# KiCad board data-center-rdimm-ddr4-tester.kicad_pcb (continued)
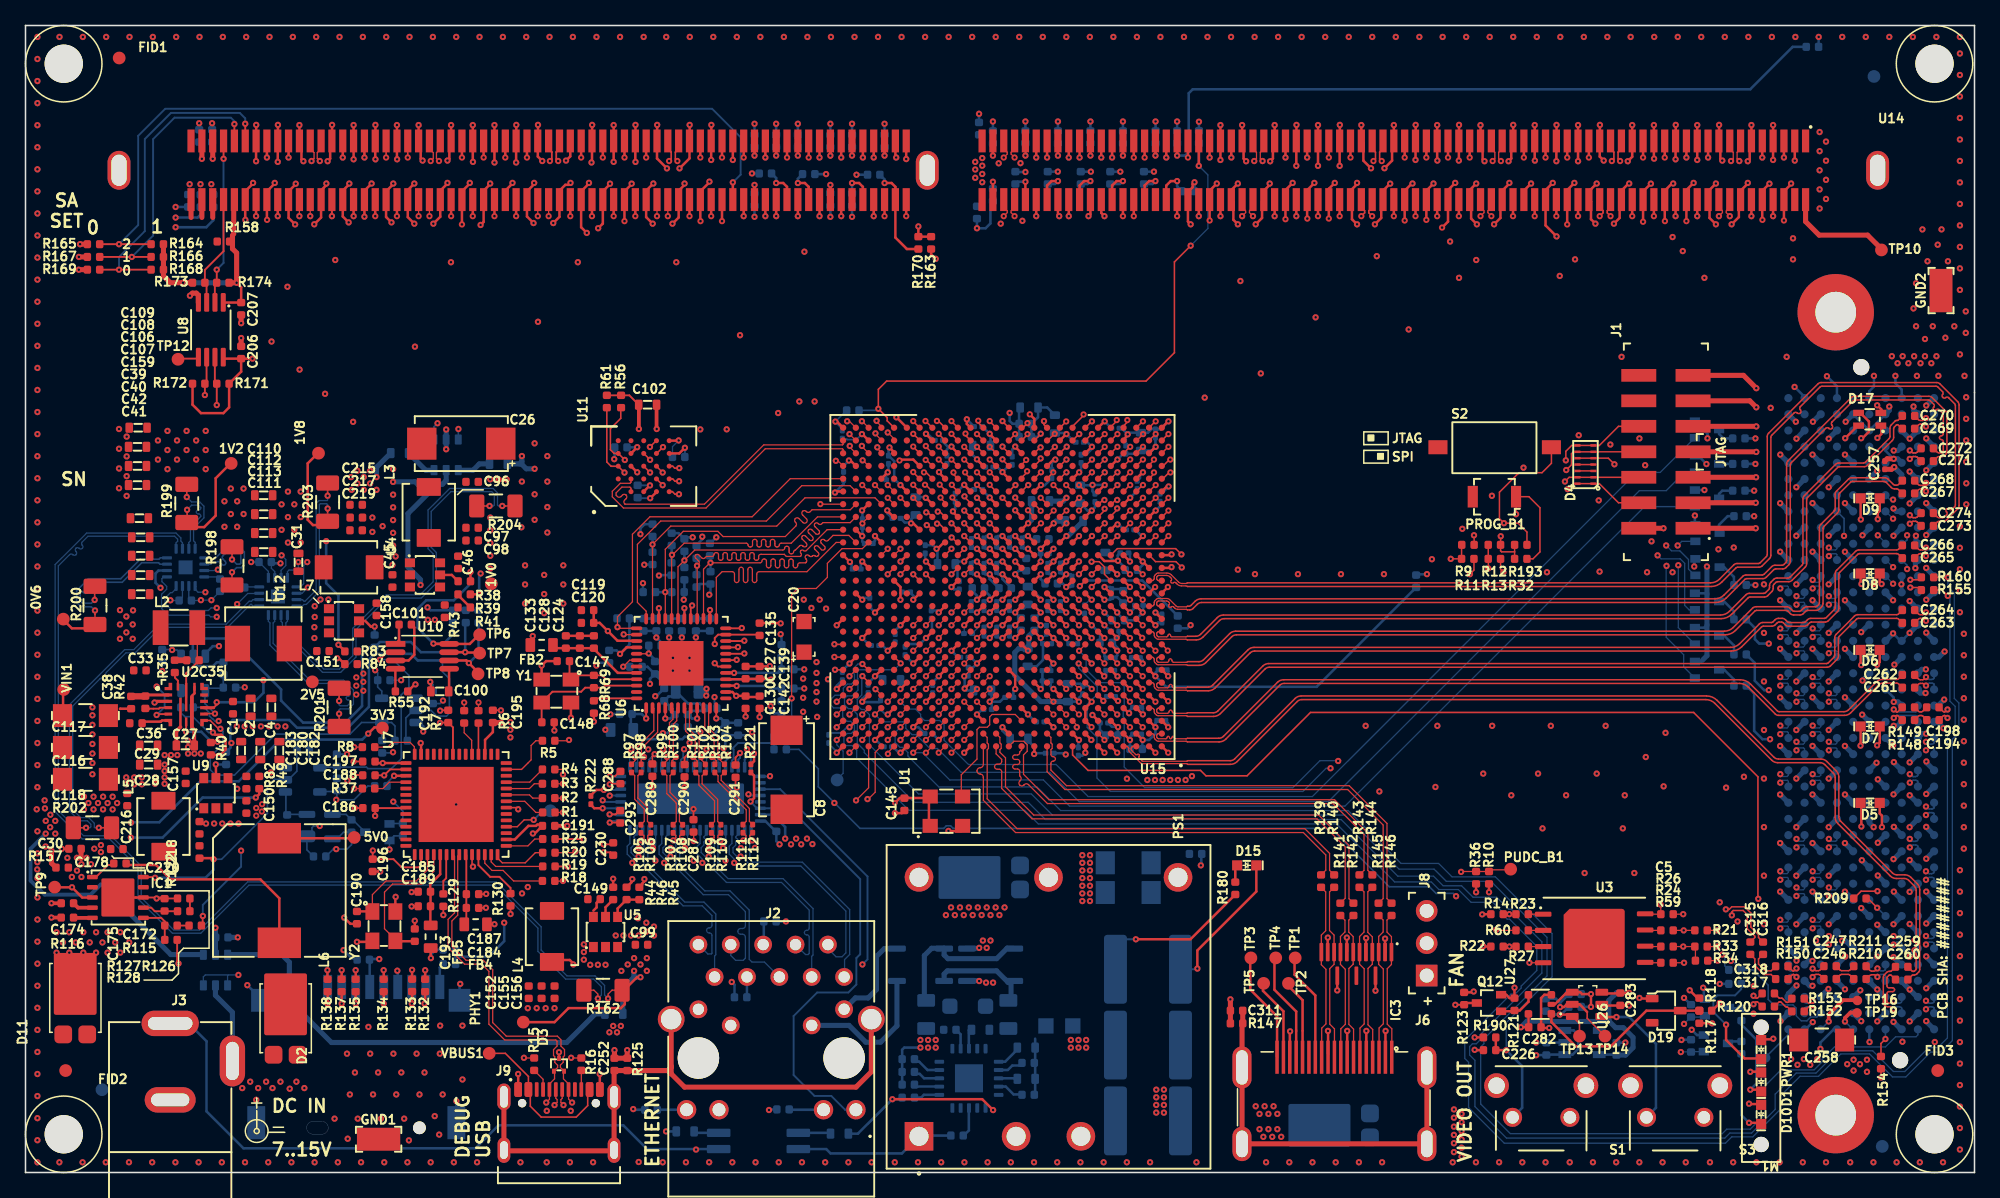
[diagram p0: board, top side]
## Routing (per net, layer and track width the routed paths; a pad name or vN(x,y) marks a point on that pad's centre or on a via; arc(x,y) is an arc through that point) (continued)
  Top w0.127: v2(85.64,39.95) 85.14,40.45
  In2.Cu w0.082: 91.14,32.34 91.13,32.34 arc(91.06,32.29) 90.99,32.28 85.48,32.28 arc(85.39,32.31) 85.36,32.4 arc(85.32,32.49) 85.23,32.53 arc(85.14,32.49) 85.11,32.4 arc(85.07,32.31) 84.98,32.28 84.83,32.28 arc(84.63,32.32) 84.47,32.42 84.35,32.54 arc(84.24,32.71) 84.21,32.9 84.21,35.06 arc(84.23,35.18) 84.29,35.27 84.32,35.3 arc(84.42,35.36) 84.53,35.39 84.67,35.39 arc(84.85,35.42) 85,35.53 85.09,35.61 arc(85.19,35.76) 85.23,35.94 85.23,39.83 arc(85.24,39.87) 85.26,39.91 85.26,39.91 arc(85.3,39.94) 85.35,39.95 v2(85.64,39.95)
  In2.Cu w0.13: 91.14,32.34 99.67,32.34 arc(99.86,32.38) 100.02,32.49 101.79,34.26 arc(102.01,34.4) 102.27,34.45 124.23,34.45 arc(124.49,34.4) 124.71,34.26 125.21,33.76 arc(125.35,33.54) 125.4,33.28 125.4,33.02 arc(125.44,32.83) 125.55,32.67 126.71,31.51 arc(126.85,31.29) 126.9,31.03 126.9,30.02 arc(126.94,29.83) 127.05,29.67 128.46,28.26 arc(128.6,28.04) 128.65,27.78 128.65,26.02 arc(128.69,25.83) 128.8,25.67 130.21,24.26 arc(130.35,24.04) 130.4,23.78 130.4,22.92 arc(130.44,22.73) 130.55,22.57 133.83,19.29 arc(133.98,19.07) 134.03,18.81 134.03,17.75 arc(134.07,17.55) 134.17,17.39 134.99,16.57 arc(135.15,16.47) 135.35,16.43 136.15,16.43 arc(136.35,16.47) 136.51,16.57 137.21,17.28 arc(137.43,17.43) 137.69,17.48 139.01,17.48 arc(139.15,17.45) 139.27,17.37 139.54,17.1 arc(139.62,16.98) 139.65,16.83 139.65,16.1 arc(139.67,16.03) 139.71,15.96 139.82,15.85 arc(139.85,15.83) 139.89,15.82 139.92,15.82 arc(140,15.84) 140.06,15.88 v1(140.19,16)
/FPGA banks 115-116/GTR_REFCLK0_P: length 80.4
  Top w0.122: 140.19,15.36 140.31,15.49 arc(140.38,15.53) 140.45,15.55 140.63,15.55 arc(140.71,15.53) 140.77,15.49 141.07,15.19
  Top w0.127: v2(84.64,39.95) 84.14,40.45
  In2.Cu w0.082: v2(84.64,39.95) 84.93,39.95 arc(84.98,39.94) 85.02,39.91 85.02,39.91 arc(85.04,39.87) 85.05,39.83 85.05,35.94 arc(85.03,35.83) 84.97,35.73 84.88,35.65 arc(84.78,35.58) 84.67,35.56 84.53,35.56 arc(84.35,35.52) 84.2,35.42 84.17,35.4 arc(84.07,35.24) 84.03,35.06 84.03,32.86 arc(84.08,32.64) 84.21,32.45 84.38,32.28 arc(84.57,32.15) 84.79,32.11 90.99,32.11 arc(91.06,32.09) 91.13,32.05 91.14,32.04
  In2.Cu w0.13: 91.14,32.04 99.72,32.04 arc(99.98,32.09) 100.2,32.24 101.97,34 arc(102.13,34.11) 102.32,34.15 124.18,34.15 arc(124.37,34.11) 124.53,34 124.95,33.58 arc(125.06,33.42) 125.1,33.23 125.1,32.97 arc(125.15,32.71) 125.29,32.49 126.45,31.33 arc(126.56,31.17) 126.6,30.98 126.6,29.97 arc(126.65,29.71) 126.79,29.49 128.2,28.08 arc(128.31,27.92) 128.35,27.73 128.35,25.97 arc(128.4,25.71) 128.54,25.49 129.95,24.08 arc(130.06,23.92) 130.1,23.73 130.1,22.87 arc(130.15,22.61) 130.29,22.39 133.58,19.11 arc(133.68,18.95) 133.72,18.75 133.72,17.69 arc(133.77,17.43) 133.92,17.21 134.81,16.32 arc(135.03,16.17) 135.29,16.12 136.21,16.12 arc(136.47,16.17) 136.69,16.32 137.39,17.03 arc(137.55,17.13) 137.75,17.17 138.95,17.17 arc(139.03,17.16) 139.1,17.11 139.29,16.92 arc(139.33,16.86) 139.35,16.78 139.35,16.05 arc(139.38,15.9) 139.46,15.78 139.61,15.63 arc(139.74,15.54) 139.88,15.52 139.97,15.52 arc(140,15.51) 140.03,15.49 v1(140.19,15.34)
/FPGA banks 115-116/GTR_REFCLK1_N: length 84.6
  Top w0.122: 150.11,36.5 150.43,36.17 arc(150.46,36.15) 150.5,36.14 150.54,36.14 arc(150.58,36.15) 150.61,36.17 v1(150.77,36.33)
  Top w0.127: 85.6,41.98 v3(85.6,41.95)
  Top w0.2: U15.K5 85.6,41.98
  In5.Cu w0.08: v3(85.6,41.95) 85.35,41.95 arc(85.31,41.94) 85.28,41.92 85.24,41.88 arc(85.22,41.85) 85.21,41.81 85.21,41.74 arc(85.23,41.66) 85.27,41.6 85.31,41.56 arc(85.37,41.52) 85.45,41.5 86.01,41.5 arc(86.09,41.52) 86.15,41.56 86.18,41.59 arc(86.28,41.66) 86.4,41.68 86.73,41.68 arc(86.82,41.7) 86.91,41.75 86.91,41.76
  In5.Cu w0.105: v1(150.77,36.33) 150.66,36.22 arc(150.6,36.18) 150.52,36.17 148.71,36.17 arc(148.59,36.19) 148.49,36.25 146.74,38 arc(146.57,38.12) 146.37,38.16 144.04,38.16 arc(143.93,38.18) 143.83,38.25 143.61,38.47 arc(143.54,38.57) 143.52,38.68 143.52,50.16 arc(143.48,50.36) 143.36,50.53 143.11,50.78 arc(142.94,50.9) 142.74,50.94 136.92,50.94 arc(136.72,50.9) 136.55,50.78 134.32,48.56 arc(134.22,48.49) 134.11,48.47 133.59,48.47 arc(133.48,48.44) 133.38,48.38 131.27,46.27 arc(131.17,46.2) 131.06,46.18 95.95,46.18 arc(95.75,46.14) 95.58,46.02 91.4,41.85 arc(91.3,41.78) 91.19,41.76 86.91,41.76
/FPGA banks 115-116/GTR_REFCLK1_P: length 84.9
  Top w0.122: 150.11,35.5 150.43,35.83 arc(150.46,35.85) 150.5,35.86 150.54,35.86 arc(150.57,35.85) 150.61,35.83 v1(150.77,35.67)
  Top w0.2: v3(84.64,41.94) U15.K6
  In5.Cu w0.08: 86.91,41.42 86.91,41.43 arc(86.82,41.48) 86.73,41.5 86.43,41.5 arc(86.35,41.48) 86.29,41.44 86.26,41.41 arc(86.16,41.34) 86.04,41.32 85.42,41.32 arc(85.3,41.34) 85.2,41.41 85.12,41.49 arc(85.05,41.59) 85.03,41.71 85.03,41.83 arc(85.02,41.87) 85,41.9 84.99,41.91 arc(84.96,41.93) 84.92,41.94 v3(84.64,41.94)
  In5.Cu w0.105: 86.91,41.42 91.23,41.42 arc(91.43,41.46) 91.6,41.58 95.78,45.75 arc(95.88,45.82) 95.99,45.84 131.1,45.84 arc(131.3,45.88) 131.47,46 133.52,48.04 arc(133.62,48.11) 133.73,48.13 134.15,48.13 arc(134.35,48.17) 134.52,48.29 136.75,50.51 arc(136.85,50.58) 136.96,50.6 142.7,50.6 arc(142.81,50.58) 142.91,50.51 143.09,50.33 arc(143.16,50.23) 143.18,50.12 143.18,38.64 arc(143.22,38.44) 143.34,38.27 143.63,37.98 arc(143.8,37.86) 144,37.82 146.33,37.82 arc(146.44,37.8) 146.54,37.73 148.29,35.99 arc(148.46,35.87) 148.66,35.83 150.52,35.83 arc(150.6,35.82) 150.66,35.77 v1(150.77,35.67)
/FPGA banks 115-116/GTR_REFCLK2_N: length 63.4
  Top w0.122: v1(133.38,20.65) 133.65,20.65 133.84,20.85 134.86,20.85 135.34,20.36 135.34,19.26 135.94,18.66 135.94,18.44 C316.1
  Top w0.127: v1(85.64,35.94) U15.D5
  In9.Cu w0.082: v1(85.64,35.94) 85.42,35.94 arc(85.36,35.93) 85.32,35.9 85.27,35.85 arc(85.23,35.8) 85.22,35.74 85.22,35.69 arc(85.23,35.63) 85.27,35.59 85.28,35.57 arc(85.33,35.54) 85.39,35.53 86.64,35.53 arc(86.72,35.54) 86.78,35.58 86.79,35.59
  In9.Cu w0.13: v1(133.38,20.65) 133.38,20.46 arc(133.37,20.4) 133.34,20.35 133.3,20.32 arc(133.25,20.28) 133.19,20.27 132.81,20.27 arc(132.75,20.28) 132.7,20.32 127.9,25.12 arc(127.79,25.28) 127.75,25.47 127.75,28.18 arc(127.7,28.44) 127.56,28.66 124.11,32.11 arc(123.73,32.36) 123.28,32.45 104.67,32.45 arc(104.48,32.49) 104.32,32.6 103.76,33.16 arc(103.54,33.3) 103.28,33.35 101.72,33.35 arc(101.46,33.3) 101.24,33.16 100.68,32.6 arc(100.52,32.49) 100.33,32.45 90.84,32.45 arc(90.45,32.53) 90.13,32.75 87.48,35.4 arc(87.26,35.54) 87,35.59 86.79,35.59
/FPGA banks 115-116/GTR_REFCLK2_P: length 63.4
  Top w0.122: v1(133.85,20.18) 133.85,20.45 133.96,20.56 134.74,20.56 135.06,20.24 135.06,19.14 135.66,18.54 135.66,18.44 C315.1
  Top w0.127: v1(84.64,35.94) U15.D6
  In9.Cu w0.082: 86.79,35.29 86.78,35.3 arc(86.72,35.34) 86.64,35.35 86.57,35.35 arc(86.53,35.34) 86.49,35.32 86.33,35.16 arc(86.3,35.14) 86.27,35.14 86.1,35.14 arc(86.06,35.15) 86.02,35.17 85.87,35.32 arc(85.83,35.34) 85.79,35.35 85.39,35.35 arc(85.26,35.38) 85.16,35.45 85.15,35.46 arc(85.08,35.57) 85.05,35.69 85.05,35.74 arc(85.04,35.79) 85.01,35.84 84.95,35.9 arc(84.91,35.93) 84.85,35.94 v1(84.64,35.94)
  In9.Cu w0.13: 86.79,35.29 86.95,35.29 arc(87.14,35.25) 87.3,35.14 89.95,32.49 arc(90.33,32.24) 90.78,32.15 100.38,32.15 arc(100.64,32.2) 100.86,32.34 101.42,32.9 arc(101.58,33.01) 101.77,33.05 103.23,33.05 arc(103.42,33.01) 103.58,32.9 104.14,32.34 arc(104.36,32.2) 104.62,32.15 123.22,32.15 arc(123.61,32.07) 123.93,31.85 127.3,28.48 arc(127.41,28.32) 127.45,28.13 127.45,25.42 arc(127.5,25.16) 127.64,24.94 132.52,20.06 arc(132.63,19.99) 132.75,19.97 133.25,19.97 arc(133.37,19.99) 133.48,20.06 133.55,20.14 arc(133.6,20.17) 133.66,20.18 v1(133.85,20.18)
/FPGA banks 115-116/GTR_REFCLK3_N: length 69.9
  Top w0.122: 136.22,14.05 135.89,13.71 arc(135.85,13.69) 135.81,13.68 135.78,13.68 arc(135.74,13.69) 135.71,13.71 v1(135.55,13.87)
  Top w0.127: v1(85.64,37.94) U15.F5
  In9.Cu w0.082: 86.9,37.05 86.86,37.02 arc(86.83,36.99) 86.79,36.99 86.5,36.99 arc(86.37,36.96) 86.27,36.89 86.01,36.63 arc(85.96,36.6) 85.9,36.59 85.4,36.59 arc(85.34,36.6) 85.29,36.63 85.27,36.66 arc(85.23,36.7) 85.22,36.76 85.22,37.76 arc(85.23,37.82) 85.27,37.87 85.28,37.88 arc(85.35,37.92) 85.43,37.94 v1(85.64,37.94)
  In9.Cu w0.13: 86.9,37.05 88.48,37.05 arc(88.93,36.96) 89.31,36.71 91.27,34.75 arc(91.59,34.53) 91.98,34.45 99.73,34.45 arc(99.92,34.49) 100.08,34.6 100.14,34.66 arc(100.36,34.8) 100.62,34.85 103.98,34.85 arc(104.24,34.8) 104.46,34.66 104.72,34.4 arc(104.88,34.29) 105.07,34.25 123.48,34.25 arc(123.93,34.16) 124.31,33.91 129.56,28.66 arc(129.7,28.44) 129.75,28.18 129.75,25.87 arc(129.79,25.68) 129.9,25.52 134.91,20.5 arc(135.02,20.35) 135.05,20.17 135.05,19.23 arc(135.02,19.05) 134.91,18.9 134.84,18.82 arc(134.78,18.73) 134.75,18.61 134.75,15.7 arc(134.83,15.52) 135,15.45 135.1,15.45 arc(135.28,15.37) 135.35,15.2 arc(135.28,15.02) 135.1,14.95 135,14.95 arc(134.83,14.87) 134.75,14.7 134.75,14.4 arc(134.79,14.21) 134.9,14.05 135.23,13.72 arc(135.26,13.7) 135.3,13.69 135.33,13.69 arc(135.37,13.7) 135.4,13.72 v1(135.55,13.87)
/FPGA banks 115-116/GTR_REFCLK3_P: length 69.4
  Top w0.122: v1(135.55,13.2) 135.71,13.36 arc(135.74,13.39) 135.78,13.39 135.81,13.39 arc(135.85,13.39) 135.89,13.36 136.22,13.03
  Top w0.127: v1(84.64,37.94) U15.F6
  In9.Cu w0.082: v1(84.64,37.94) 84.9,37.94 arc(84.96,37.93) 85,37.9 85.01,37.89 arc(85.04,37.84) 85.05,37.79 85.05,36.76 arc(85.08,36.64) 85.15,36.53 85.17,36.51 arc(85.27,36.44) 85.4,36.41 85.9,36.41 arc(86.03,36.44) 86.13,36.51 86.39,36.77 arc(86.44,36.8) 86.5,36.81 86.79,36.81 arc(86.83,36.81) 86.86,36.78 86.9,36.75
  In9.Cu w0.13: v1(135.55,13.2) 135.4,13.36 arc(135.37,13.38) 135.33,13.38 135.25,13.38 arc(135.14,13.41) 135.05,13.47 134.64,13.87 arc(134.5,14.09) 134.45,14.35 134.45,18.67 arc(134.48,18.85) 134.59,19 134.66,19.08 arc(134.72,19.17) 134.75,19.29 134.75,20.11 arc(134.72,20.23) 134.66,20.32 129.64,25.34 arc(129.5,25.56) 129.45,25.82 129.45,28.13 arc(129.41,28.32) 129.3,28.48 124.13,33.65 arc(123.81,33.87) 123.42,33.95 105.02,33.95 arc(104.76,34) 104.54,34.14 104.28,34.4 arc(104.12,34.51) 103.93,34.55 100.67,34.55 arc(100.48,34.51) 100.32,34.4 100.26,34.34 arc(100.04,34.2) 99.78,34.15 91.92,34.15 arc(91.47,34.24) 91.09,34.49 89.13,36.45 arc(88.81,36.67) 88.42,36.75 86.9,36.75
/Supply/FPGA_PWR_DIS: length 3.4
  Bottom w0.127: 22.07,28.1 20.56,28.1 R212.2 20.42,28.16 20.42,29.9
/Supply/OUT: length 5.7
  Top w0.2: 121.05,14.05 120.82,14.05 119.97,13.2 119.7,13.2 ; v1(122.8,13) v1(122.8,14) 122.1,14 121.95,14.15 121.15,14.15
  Bottom w0.2: 122.13,13 v1(122.8,13) ; 122.13,14 v1(122.8,14)
/Supply/PWR_SEQ_EN: length 19.8
  Top w0.127: 29.02,40.83 28.38,40.83 v1(27.8,40.25)
  Bottom w0.127: R191.2 22.26,32.34 22.8,31.8 24.36,31.8 R213.1 24.48,31.81 26.74,31.81 26.86,31.69 28.7,31.69 29.47,32.46 29.47,37.47 30.08,38.08 30.08,39 28.83,40.25 v1(27.8,40.25)
/Supply/SLP_S4: length 5.7
  Top w0.127: v1(14.86,36.01) 14.04,36.01 14.01,35.97
  Bottom w0.127: v1(14.86,36.01) 14.08,36.79 14.08,38 15.47,38 R216.1 15.52,39.06 R197.2
/Supply/SYS_EN: length 133
  Top w0.15: v1(112.16,13.16) 112.84,13.16 R123.1
  Top w0.2: 2.25,22.38 v1(3.65,22.38) 4.45,21.58 5.29,21.58 ; Q12.3 112.99,13.3 R123.1
  In7.Cu w0.15: v1(48.05,19.95) 40.9,19.95 v1(38.95,21.9)
  In9.Cu w0.15: v1(48.05,19.95) 49.8,21.7 59.04,21.7 67.24,29.9 79.7,29.9 83.65,25.95 110.75,25.95 111.55,25.15 111.55,21.05 112.16,20.44 v1(112.16,13.16) ; v1(3.65,22.38) 30.06,22.38 30.58,22.9 36.01,22.9 37.21,21.7 38.75,21.7 v1(38.95,21.9)
/Supply/SYS_PWR_GOOD: length 20.1
  Top w0.15: v1(10.16,23.13) 10.11,23.18 9.29,23.18
  Top w0.2: v1(14.75,24.58) 14.66,24.67 R122.2
  Bottom w0.127: v1(14.75,24.58) 15.38,24.58 18.97,28.17 18.97,30.3 19.53,30.85 20.65,30.85 21.29,31.49 R191.1
  Bottom w0.2: v1(14.75,24.58) 14.75,23.75 14.13,23.13 v1(10.16,23.13)
/Supply/VPP_SEN_+: length 6.2
  Top w0.127: NT1.1 v1(16.2,47.1)
  Bottom w0.127: v1(16.2,47.1) 16.56,47.46 16.93,47.46 17.16,47.69 17.16,48.69 16.79,49.06 15.77,49.06 14.83,48.12 14.63,48.12 14.52,48.23 14.02,48.23
/Supply/VPP_SEN_-: length 6.2
  Top w0.127: NT5.1 v1(16.2,48.1)
  Bottom w0.127: v1(16.2,48.1) 16.56,47.74 16.82,47.74 16.89,47.81 16.89,48.58 16.68,48.79 15.88,48.79 15.48,48.38 arc(15.43,48.26) 15.48,48.14 15.66,47.95 arc(15.71,47.83) 15.66,47.71 arc(15.54,47.66) 15.42,47.71 15.23,47.89 arc(15.11,47.94) 14.99,47.89 14.94,47.84 14.64,47.84 14.53,47.73 14.02,47.73
/Supply/VTT_CNTL: length 24.3
  Top w0.127: v1(15.29,34.82) 15.14,34.82 14.49,35.47 14.01,35.47
  Bottom w0.127: R196.2 28.99,35.03 28.71,35.31 27.95,35.31 ; 27.95,35.31 26.37,35.31 25.46,34.4 19.61,34.4 16.39,31.18 14.92,31.18 14.49,31.61 14.49,32.62 15.49,33.62 15.49,34.61 v1(15.29,34.82) ; 27.95,35.31 27.95,33.92 R217.1
/Supply/VTT_SEN_+: length 11.1
  Top w0.127: NT3.1 v1(5.45,44.1)
  Bottom w0.127: 11.1,48.23 10.58,48.23 10.47,48.12 9,48.12 7.47,46.59 4.94,46.59 4.01,45.66 4.01,44.74 4.37,44.39 5.16,44.39 v1(5.45,44.1)
/Supply/VTT_SEN_-: length 11.1
  Top w0.127: NT6.1 v1(5.42,44.92)
  Bottom w0.127: 11.1,47.73 10.55,47.73 10.44,47.84 9.11,47.84 7.58,46.31 5.94,46.31 arc(5.81,46.26) 5.76,46.14 5.76,46.13 arc(5.71,46.01) 5.59,45.96 arc(5.46,46.01) 5.41,46.13 5.41,46.14 arc(5.36,46.26) 5.24,46.31 5.06,46.31 4.78,46.04 arc(4.73,45.91) 4.78,45.79 4.83,45.74 arc(4.89,45.62) 4.83,45.49 arc(4.71,45.44) 4.59,45.49 4.54,45.54 arc(4.41,45.59) 4.29,45.54 4.29,44.86 4.48,44.66 5.16,44.66 v1(5.42,44.92)
/Supply/VTTREF: length 2.3
  Top w0.2: 11.36,35.31 11.2,35.47 10.7,35.47 10.61,35.38 9.15,35.38
/Supply/~{CLR}: length 5
  Top w0.127: 121.35,12.25 121.9,11.7 TP13.1
  Top w0.2: v1(120.35,12.39) 121.01,12.39 121.15,12.25 121.35,12.25
  Bottom w0.2: R219.2 119.69,12.67 119.96,12.39 v1(120.35,12.39) 120.45,12.39 R220.1
/Supply/~{INT}: length 7.5
  Top w0.127: 122.5,12.6 122.5,12.1 TP14.1
  Top w0.2: 122.5,12.6 121.9,13.2 120.9,13.2 120.68,12.98 v1(120.38,12.98)
  Bottom w0.2: R219.1 120.05,13.64 120.38,13.31 ; 120.38,13.31 R218.1 ; 120.38,13.31 v1(120.38,12.98)
A0: length 39.2
  Top w0.127: U15.AF10 79.89,58.68 v1(79.89,58.96)
  Top w0.2: U14.79 68.24,79.7 v1(68.3,79.64)
  In9.Cu w0.1: 80.5,60.45 80.5,60.1 80.2,59.8 80.2,59.26 v1(79.89,58.96)
  In9.Cu w0.16: v1(68.3,79.64) 68.3,77.65 70.15,75.8 75.4,75.8 76,75.2 76,72.8 81.5,67.3 81.5,66.78 arc(81.57,66.62) 81.72,66.56 81.98,66.56 arc(82.14,66.49) 82.21,66.33 arc(82.14,66.17) 81.98,66.11 81.02,66.11 arc(80.86,66.04) 80.79,65.88 arc(80.86,65.72) 81.02,65.66 81.98,65.66 arc(82.14,65.59) 82.21,65.43 arc(82.14,65.27) 81.98,65.2 81.02,65.2 arc(80.86,65.14) 80.79,64.98 arc(80.86,64.82) 81.02,64.75 81.28,64.75 arc(81.43,64.69) 81.5,64.53 81.5,64.3 80.5,63.3 80.5,62.7 arc(80.43,62.54) 80.28,62.47 80.12,62.47 arc(79.97,62.41) 79.9,62.25 arc(79.97,62.09) 80.12,62.03 80.78,62.03 arc(80.93,61.96) 81,61.8 arc(80.93,61.64) 80.78,61.58 80.12,61.58 arc(79.97,61.51) 79.9,61.35 arc(79.97,61.19) 80.12,61.12 80.28,61.12 arc(80.43,61.06) 80.5,60.9 80.5,60.45
A1: length 39.9
  Top w0.127: U15.AC11 79.63,55.93 v1(79.63,56.03)
  Top w0.2: U14.72 v1(79.29,79.64)
  In9.Cu w0.1: 81.3,60.45 81.3,59.77 80.07,58.54 79.64,58.54 79.18,58.07 79.18,56.48 v1(79.63,56.03)
  In9.Cu w0.16: v1(79.29,79.64) 79.29,76.26 78.8,75.78 78.8,74.05 78.4,73.65 78.4,71.8 78.73,71.47 arc(78.8,71.31) 78.73,71.15 78.63,71.05 arc(78.57,70.89) 78.63,70.73 arc(78.79,70.67) 78.95,70.73 79.43,71.21 arc(79.59,71.28) 79.75,71.21 arc(79.81,71.05) 79.75,70.89 79.27,70.42 arc(79.2,70.26) 79.27,70.1 arc(79.43,70.03) 79.59,70.1 80.07,70.58 arc(80.23,70.64) 80.39,70.58 arc(80.45,70.42) 80.39,70.26 79.91,69.78 arc(79.84,69.62) 79.91,69.46 arc(80.07,69.4) 80.22,69.46 80.7,69.94 arc(80.86,70.01) 81.02,69.94 arc(81.09,69.78) 81.02,69.62 80.54,69.14 arc(80.48,68.98) 80.54,68.82 arc(80.7,68.76) 80.86,68.82 81.34,69.3 arc(81.5,69.37) 81.66,69.3 arc(81.72,69.14) 81.66,68.99 81.18,68.51 arc(81.11,68.35) 81.18,68.19 arc(81.34,68.12) 81.5,68.19 81.98,68.67 arc(82.14,68.73) 82.29,68.67 arc(82.36,68.51) 82.29,68.35 81.82,67.87 arc(81.75,67.71) 81.82,67.55 arc(81.97,67.49) 82.13,67.55 82.23,67.65 arc(82.39,67.72) 82.55,67.65 82.7,67.5 82.7,64.42 81.3,63.03 81.3,60.45
A2: length 39
  Top w0.127: U15.AD11 79.6,56.9 v1(79.62,56.9)
  Top w0.2: 79.29,76.34 v1(79.29,75.04)
  In9.Cu w0.1: v1(79.62,56.9) 79.65,56.9 80.1,57.35 80.1,58.22 81.38,59.5 81.75,59.5 82.1,59.85 82.1,60.45
  In9.Cu w0.16: 82.1,60.45 82.1,60.8 arc(82.04,60.94) 81.9,61 81.8,61 arc(81.66,61.06) 81.6,61.2 arc(81.66,61.34) 81.8,61.4 82.4,61.4 arc(82.54,61.46) 82.6,61.6 arc(82.54,61.74) 82.4,61.8 81.8,61.8 arc(81.66,61.86) 81.6,62 arc(81.66,62.14) 81.8,62.2 81.9,62.2 arc(82.04,62.26) 82.1,62.4 82.1,62.72 82.19,62.81 arc(82.25,62.95) 82.19,63.1 82.12,63.17 arc(82.06,63.31) 82.12,63.45 arc(82.26,63.51) 82.4,63.45 82.82,63.02 arc(82.97,62.97) 83.11,63.02 arc(83.17,63.17) 83.11,63.31 82.68,63.73 arc(82.62,63.87) 82.68,64.01 arc(82.82,64.07) 82.97,64.01 83.39,63.59 arc(83.53,63.53) 83.67,63.59 arc(83.73,63.73) 83.67,63.87 83.6,63.94 arc(83.54,64.09) 83.6,64.23 83.8,64.42 83.8,64.7 arc(83.86,64.84) 84,64.9 84.2,64.9 arc(84.34,64.96) 84.4,65.1 arc(84.34,65.24) 84.2,65.3 83.4,65.3 arc(83.26,65.36) 83.2,65.5 arc(83.26,65.64) 83.4,65.7 84.2,65.7 arc(84.34,65.76) 84.4,65.9 arc(84.34,66.04) 84.2,66.1 83.4,66.1 arc(83.26,66.16) 83.2,66.3 arc(83.26,66.44) 83.4,66.5 84.2,66.5 arc(84.34,66.56) 84.4,66.7 arc(84.34,66.84) 84.2,66.9 83.4,66.9 arc(83.26,66.96) 83.2,67.1 arc(83.26,67.24) 83.4,67.3 84.2,67.3 arc(84.34,67.36) 84.4,67.5 arc(84.34,67.64) 84.2,67.7 83.4,67.7 arc(83.26,67.76) 83.2,67.9 arc(83.26,68.04) 83.4,68.1 84.2,68.1 arc(84.34,68.16) 84.4,68.3 arc(84.34,68.44) 84.2,68.5 83.1,68.5 79.29,72.31 v1(79.29,75.04)
A3: length 41.7
  Top w0.127: U15.AD10 80.19,56.44 80.69,56.94 v1(80.75,56.94)
  Top w0.2: 80.14,80.94 v1(80.14,79.64)
  In9.Cu w0.1: 82.9,60.45 82.9,60.2 81.83,59.13 81.44,59.13 80.51,58.2 80.51,57.66 80.75,57.43 v1(80.75,56.94)
  In9.Cu w0.16: 82.9,60.45 82.9,62.45 84.84,64.39 84.84,68.82 84.51,69.15 83.65,69.15 83.44,69.36 arc(83.4,69.46) 83.44,69.56 83.57,69.69 arc(83.63,69.83) 83.57,69.98 arc(83.43,70.03) 83.29,69.98 82.82,69.51 arc(82.68,69.45) 82.54,69.51 arc(82.48,69.65) 82.54,69.8 83,70.26 arc(83.06,70.4) 83,70.54 arc(82.86,70.6) 82.72,70.54 82.26,70.08 arc(82.12,70.02) 81.98,70.08 arc(81.92,70.22) 81.98,70.36 82.44,70.82 arc(82.5,70.97) 82.44,71.11 arc(82.3,71.17) 82.16,71.11 81.69,70.64 arc(81.55,70.59) 81.41,70.64 arc(81.35,70.79) 81.41,70.93 81.87,71.39 arc(81.93,71.53) 81.87,71.67 arc(81.73,71.73) 81.59,71.67 81.13,71.21 arc(80.99,71.15) 80.84,71.21 arc(80.79,71.35) 80.84,71.49 81.31,71.96 arc(81.37,72.1) 81.31,72.24 arc(81.17,72.3) 81.02,72.24 80.56,71.78 arc(80.42,71.72) 80.28,71.78 arc(80.22,71.92) 80.28,72.06 80.4,72.18 arc(80.45,72.29) 80.4,72.4 80.14,72.66 80.14,73.06 arc(80.11,73.13) 80.03,73.16 79.81,73.16 arc(79.67,73.22) 79.61,73.36 arc(79.67,73.51) 79.81,73.56 80.51,73.56 arc(80.66,73.62) 80.71,73.76 arc(80.66,73.91) 80.51,73.96 79.81,73.96 arc(79.67,74.02) 79.61,74.16 arc(79.67,74.31) 79.81,74.36 80.51,74.36 arc(80.66,74.42) 80.71,74.56 arc(80.66,74.71) 80.51,74.76 80.34,74.76 arc(80.2,74.82) 80.14,74.97 v1(80.14,79.64)
A4: length 40.9
  Top w0.127: v1(81.66,55.94) 81.64,55.94 U15.AC9
  Top w0.2: v1(81.09,75.04) 80.99,75.14 80.99,76.34
  In9.Cu w0.1: v1(81.66,55.94) 81.24,56.36 81.24,57.36 80.87,57.73 80.87,58.18 81.46,58.77 81.97,58.77 83.3,60.1 83.9,60.1 84,60.2 84,60.4
  In9.Cu w0.16: 84,60.4 84,60.7 arc(83.94,60.84) 83.8,60.9 83.65,60.9 arc(83.51,60.96) 83.45,61.1 arc(83.51,61.24) 83.65,61.3 84.35,61.3 arc(84.49,61.36) 84.55,61.5 arc(84.49,61.64) 84.35,61.7 84.2,61.7 arc(84.06,61.76) 84,61.9 84,62.3 arc(84.06,62.44) 84,62.58 83.89,62.69 arc(83.84,62.83) 83.89,62.97 arc(84.04,63.03) 84.18,62.97 84.67,62.48 arc(84.81,62.42) 84.95,62.48 arc(85.01,62.62) 84.95,62.76 84.46,63.25 arc(84.4,63.4) 84.46,63.54 arc(84.6,63.6) 84.74,63.54 85.24,63.04 arc(85.38,62.98) 85.52,63.04 arc(85.58,63.18) 85.52,63.33 85.03,63.82 arc(84.97,63.96) 85.03,64.1 arc(85.17,64.16) 85.31,64.1 85.41,64 arc(85.56,63.94) 85.7,64 85.9,64.2 85.9,64.4 arc(85.83,64.56) 85.68,64.62 85.47,64.62 arc(85.32,64.69) 85.25,64.85 arc(85.32,65.01) 85.47,65.08 86.32,65.08 arc(86.48,65.14) 86.55,65.3 arc(86.48,65.46) 86.32,65.53 85.47,65.53 arc(85.32,65.59) 85.25,65.75 arc(85.32,65.91) 85.47,65.97 86.32,65.97 arc(86.48,66.04) 86.55,66.2 arc(86.48,66.36) 86.32,66.42 85.47,66.42 arc(85.32,66.49) 85.25,66.65 arc(85.32,66.81) 85.47,66.88 86.32,66.88 arc(86.48,66.94) 86.55,67.1 arc(86.48,67.26) 86.32,67.33 85.47,67.33 arc(85.32,67.39) 85.25,67.55 arc(85.32,67.71) 85.47,67.78 85.68,67.78 arc(85.83,67.84) 85.9,68 85.9,68.7 85.19,69.41 arc(85.12,69.57) 85.19,69.73 85.21,69.76 arc(85.28,69.92) 85.21,70.08 arc(85.05,70.14) 84.89,70.08 84.87,70.05 arc(84.71,69.98) 84.55,70.05 83.95,70.05 81.09,72.91 v1(81.09,75.04)
A5: length 40.1
  Top w0.127: U15.AD9 81.65,56.95 v1(81.68,56.95)
  Top w0.2: 81.84,76.34 v1(81.84,75.04)
  In9.Cu w0.1: v1(81.68,56.95) 81.68,57.33 81.24,57.77 81.24,58.11 81.48,58.36 82.01,58.36 83.35,59.7 85.1,59.7 85.5,60.1 85.5,60.4
  In9.Cu w0.16: 85.5,60.4 85.5,60.6 arc(85.44,60.74) 85.3,60.8 85.1,60.8 arc(84.96,60.86) 84.9,61 arc(84.96,61.14) 85.1,61.2 85.9,61.2 arc(86.04,61.26) 86.1,61.4 arc(86.04,61.54) 85.9,61.6 85.1,61.6 arc(84.96,61.66) 84.9,61.8 arc(84.96,61.94) 85.1,62 85.3,62 arc(85.44,62.06) 85.5,62.2 85.5,62.6 86.9,64 86.9,67.4 arc(86.97,67.56) 87.12,67.62 87.28,67.62 arc(87.43,67.69) 87.5,67.85 arc(87.43,68.01) 87.28,68.08 86.53,68.08 arc(86.37,68.14) 86.3,68.3 arc(86.37,68.46) 86.53,68.53 87.28,68.53 arc(87.43,68.59) 87.5,68.75 arc(87.43,68.91) 87.28,68.97 87.12,68.97 arc(86.97,69.04) 86.9,69.2 86.9,69.55 arc(86.84,69.69) 86.9,69.83 87.04,69.97 arc(87.1,70.11) 87.04,70.25 arc(86.9,70.31) 86.75,70.25 86.2,69.7 arc(86.06,69.64) 85.91,69.7 arc(85.86,69.84) 85.91,69.98 86.47,70.54 arc(86.53,70.68) 86.47,70.82 arc(86.33,70.88) 86.19,70.82 86.05,70.68 arc(85.91,70.62) 85.77,70.68 85.5,70.95 85.15,70.95 arc(85.01,71.01) 84.95,71.15 84.95,71.28 arc(84.89,71.42) 84.75,71.48 arc(84.61,71.42) 84.55,71.28 84.55,71.15 arc(84.49,71.01) 84.35,70.95 84.15,70.95 83.9,71.2 arc(83.84,71.34) 83.9,71.48 83.97,71.55 arc(84.03,71.69) 83.97,71.83 arc(83.83,71.89) 83.69,71.83 83.27,71.41 arc(83.13,71.36) 82.99,71.41 arc(82.93,71.56) 82.99,71.7 83.4,72.11 arc(83.46,72.25) 83.4,72.4 arc(83.26,72.45) 83.12,72.4 82.7,71.98 arc(82.56,71.92) 82.42,71.98 arc(82.36,72.12) 82.42,72.26 82.84,72.68 arc(82.9,72.82) 82.84,72.96 arc(82.7,73.02) 82.55,72.96 82.49,72.89 arc(82.35,72.84) 82.21,72.89 81.84,73.26 v1(81.84,75.04)
A6: length 43.7
  Top w0.127: v1(81.66,54.94) 81.64,54.94 U15.AB9
  Top w0.2: 81.84,80.94 v1(81.84,79.64)
  In9.Cu w0.1: v1(81.66,54.94) 82.24,55.52 82.24,58.11 83.52,59.4 85.7,59.4 86.5,60.2 86.5,60.4
  In9.Cu w0.16: v1(81.84,79.64) 81.84,76.31 82.6,75.55 82.6,73.7 84.5,71.8 86.05,71.8 87.9,69.95 87.9,67.5 arc(87.84,67.36) 87.7,67.3 87.5,67.3 arc(87.36,67.24) 87.3,67.1 arc(87.36,66.96) 87.5,66.9 88.3,66.9 arc(88.44,66.84) 88.5,66.7 arc(88.44,66.56) 88.3,66.5 87.5,66.5 arc(87.36,66.44) 87.3,66.3 arc(87.36,66.16) 87.5,66.1 88.3,66.1 arc(88.44,66.04) 88.5,65.9 arc(88.44,65.76) 88.3,65.7 87.5,65.7 arc(87.36,65.64) 87.3,65.5 arc(87.36,65.36) 87.5,65.3 88.3,65.3 arc(88.44,65.24) 88.5,65.1 arc(88.44,64.96) 88.3,64.9 87.5,64.9 arc(87.36,64.84) 87.3,64.7 arc(87.36,64.56) 87.5,64.5 88.3,64.5 arc(88.44,64.44) 88.5,64.3 arc(88.44,64.16) 88.3,64.1 88.1,64.1 arc(87.96,64.04) 87.9,63.9 87.9,63.8 87.39,63.29 arc(87.23,63.22) 87.07,63.29 87.06,63.3 arc(86.9,63.36) 86.74,63.3 arc(86.67,63.14) 86.74,62.98 86.75,62.97 arc(86.82,62.81) 86.75,62.65 86.5,62.4 86.5,62.35 arc(86.57,62.19) 86.72,62.12 arc(86.88,62.06) 86.95,61.9 arc(86.88,61.74) 86.72,61.67 arc(86.57,61.61) 86.5,61.45 86.5,61.4 arc(86.57,61.24) 86.72,61.17 86.78,61.17 arc(86.93,61.11) 87,60.95 arc(86.93,60.79) 86.78,60.72 86.72,60.72 arc(86.57,60.66) 86.5,60.5 86.5,60.4
A7: length 38.9
  Top w0.127: U15.AF7 83.64,58.94 v1(83.66,58.94)
  Top w0.2: v1(83.39,75.04) 83.54,75.19 83.54,76.34
  In9.Cu w0.1: v1(83.66,58.94) 84.04,58.94 84.48,58.5 85.3,58.5 86.4,59.6 86.9,59.6 87.4,60.1 87.4,60.4
  In9.Cu w0.16: 87.4,60.4 87.4,62.3 87.5,62.4 arc(87.64,62.46) 87.78,62.4 87.82,62.36 arc(87.96,62.31) 88.1,62.36 arc(88.16,62.51) 88.1,62.65 87.78,62.97 arc(87.72,63.11) 87.78,63.25 arc(87.92,63.31) 88.07,63.25 88.38,62.93 arc(88.53,62.87) 88.67,62.93 arc(88.73,63.07) 88.67,63.21 88.63,63.25 arc(88.57,63.39) 88.63,63.53 88.9,63.8 88.9,66.6 arc(88.96,66.74) 89.1,66.8 89.3,66.8 arc(89.44,66.86) 89.5,67 arc(89.44,67.14) 89.3,67.2 88.5,67.2 arc(88.36,67.26) 88.3,67.4 arc(88.36,67.54) 88.5,67.6 89.3,67.6 arc(89.44,67.66) 89.5,67.8 arc(89.44,67.94) 89.3,68 88.5,68 arc(88.36,68.06) 88.3,68.2 arc(88.36,68.34) 88.5,68.4 89.3,68.4 arc(89.44,68.46) 89.5,68.6 arc(89.44,68.74) 89.3,68.8 88.5,68.8 arc(88.36,68.86) 88.3,69 arc(88.36,69.14) 88.5,69.2 89.3,69.2 arc(89.44,69.26) 89.5,69.4 arc(89.44,69.54) 89.3,69.6 89.1,69.6 arc(88.96,69.66) 88.9,69.8 88.9,70.35 88.82,70.42 arc(88.77,70.57) 88.82,70.71 88.9,70.78 arc(88.96,70.93) 88.9,71.07 arc(88.76,71.13) 88.62,71.07 88.15,70.6 arc(88.01,70.54) 87.86,70.6 arc(87.81,70.74) 87.86,70.88 88.34,71.35 arc(88.39,71.49) 88.34,71.63 arc(88.19,71.69) 88.05,71.63 87.58,71.16 arc(87.44,71.1) 87.3,71.16 arc(87.24,71.3) 87.3,71.44 87.77,71.92 arc(87.83,72.06) 87.77,72.2 arc(87.63,72.26) 87.49,72.2 87.41,72.12 arc(87.27,72.06) 87.13,72.12 86.7,72.55 84.65,72.55 83.39,73.81 v1(83.39,75.04)
